# KiCad board Turbo_XT_Mainboard R3.kicad_pcb (continued)
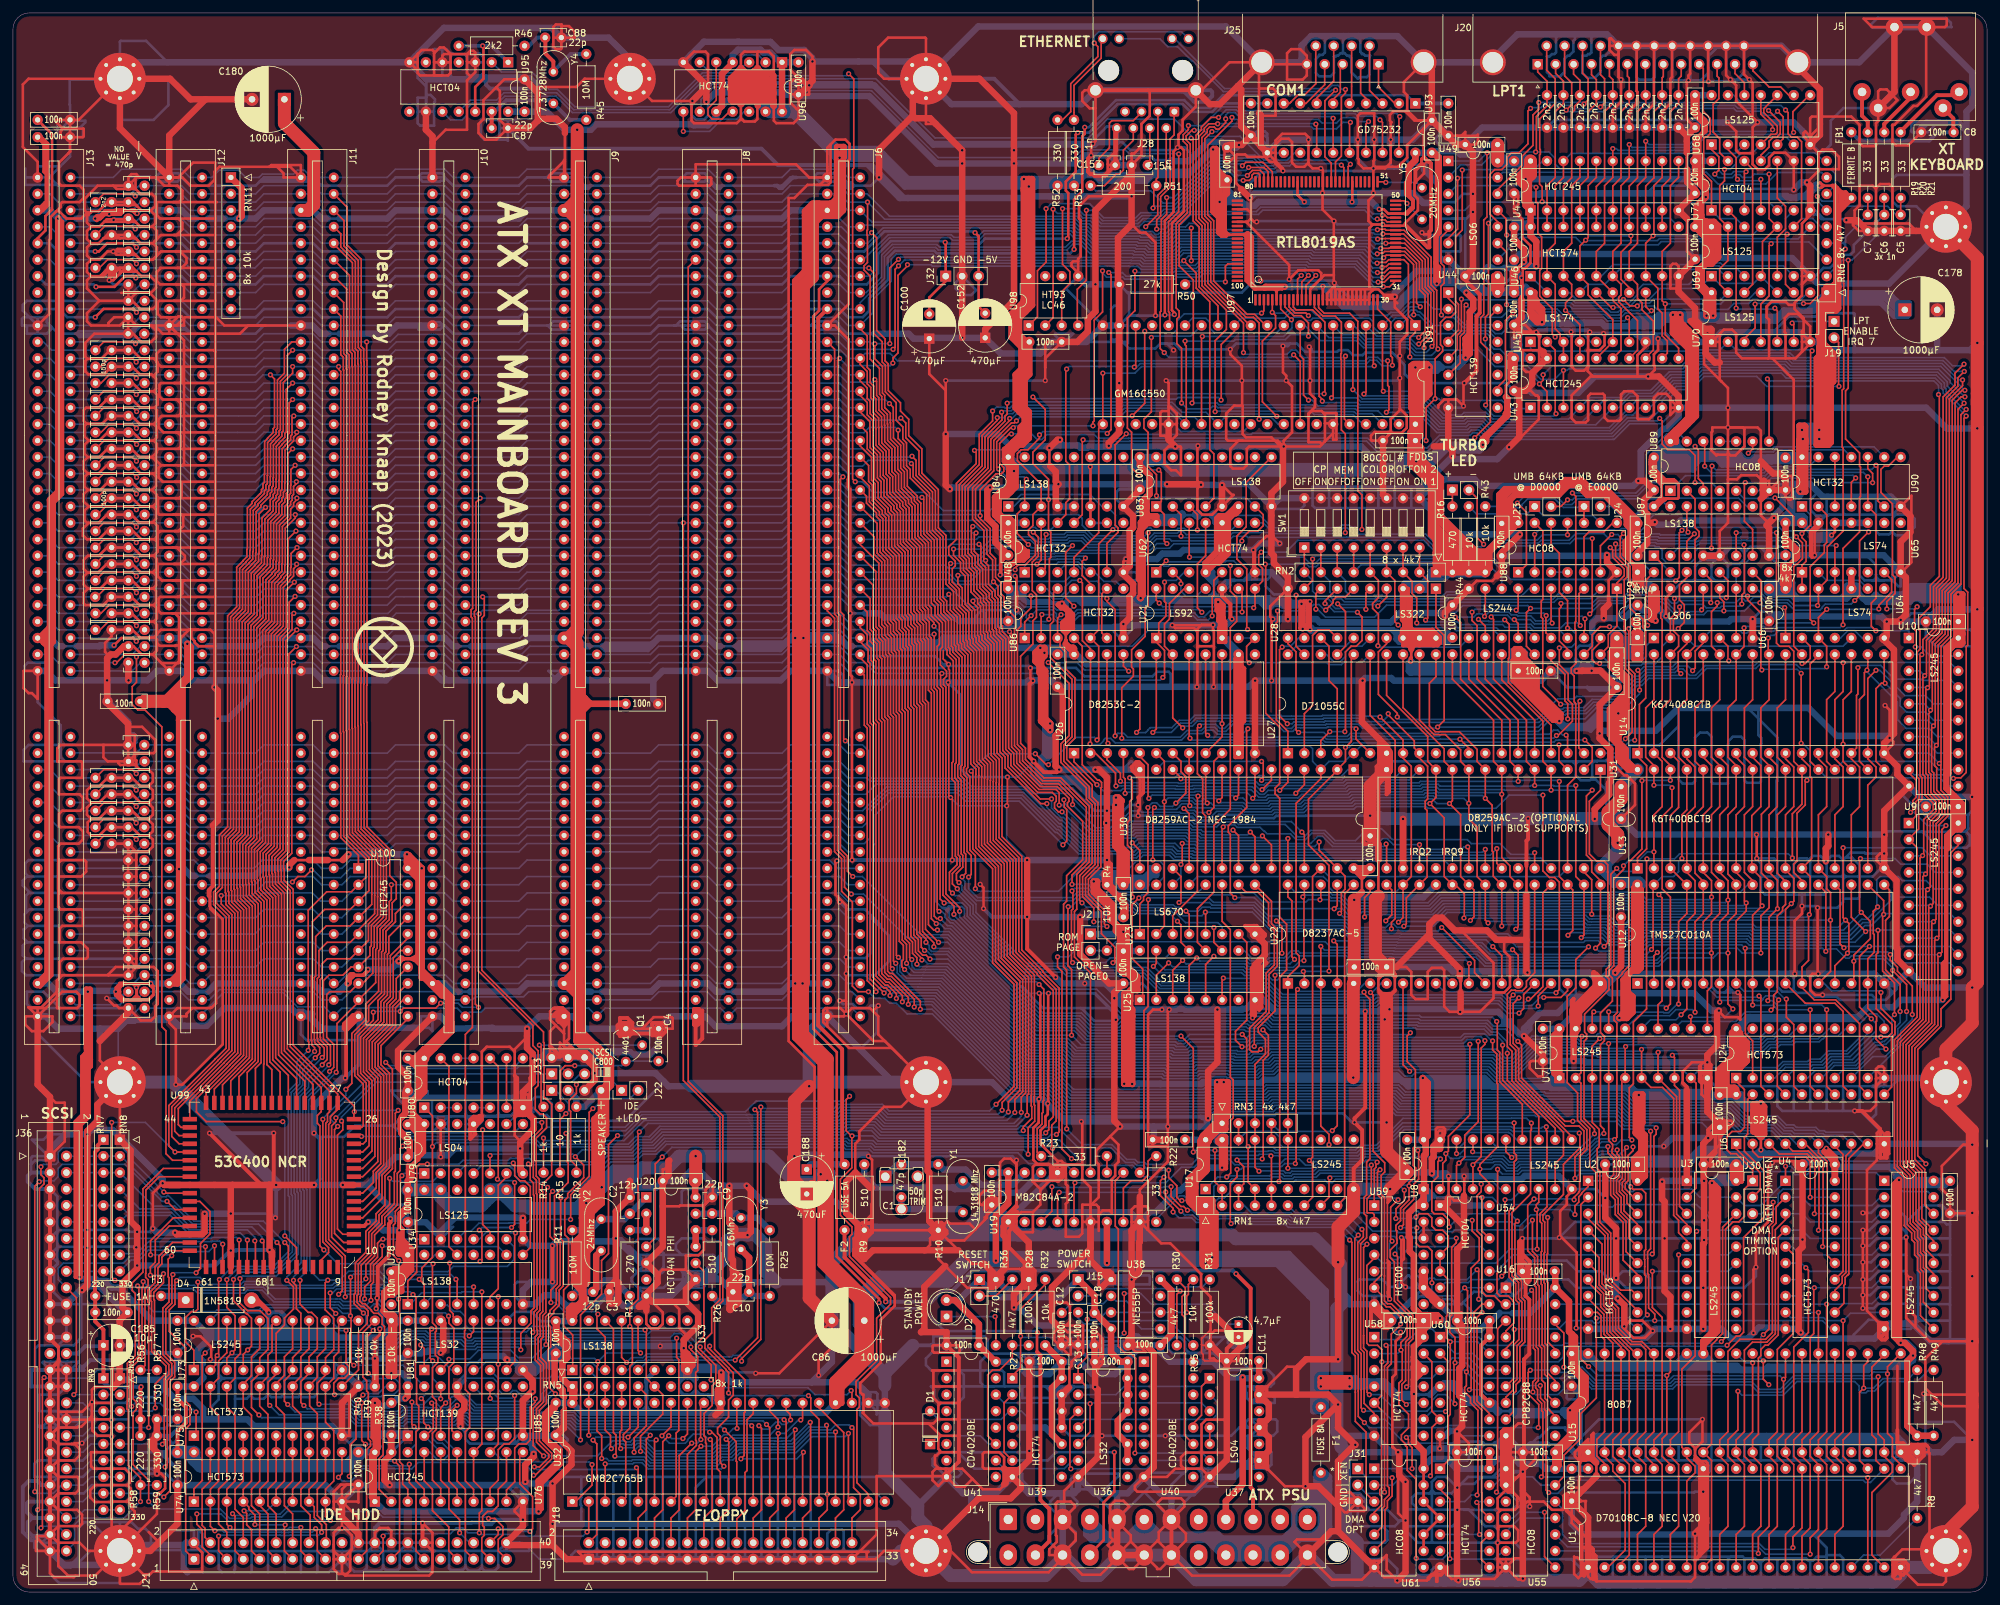
[diagram p0: board, top side]
## Routing (per net, layer and track width the routed paths; a pad name or vN(x,y) marks a point on that pad's centre or on a via; arc(x,y) is an arc through that point) (continued)
  Bottom w0.25: v1(168.27,188.21) 173.23,188.21 174.24,189.23 210.06,189.23 v1(210.19,189.36) ; U76.13 74.29,21.59 75.41,20.46 78.98,20.46 79.36,20.08 89.01,20.08 v1(89.41,19.69) ; v1(62.72,48.29) 60.23,48.29 59.27,47.33 57.32,47.33 57.2,47.46 55.37,47.46 55.32,47.41 50.96,47.41 50.82,47.26 49.81,47.26 49.46,46.92 39.45,46.92 38.85,47.51 35.82,47.51 35.37,47.06 29.34,47.06 v1(28.55,47.85) ; v1(74.93,35.18) 74.53,35.58 73.07,35.58 71.78,34.29 U81.4 ; U48.4 162.42,156.07 152.89,156.07 150.26,153.44 148.62,153.44 v1(148.22,153.04) ; v1(74.93,45.59) 64.64,45.59 U78.2 ; v1(155.99,71.26) 155.76,71.03 134.07,71.03 132.93,72.16 128.78,72.16 128.09,71.47 114.22,71.47 114.21,71.47 100.04,71.47 98.45,69.87 96.36,69.87 95.22,68.73 81.26,68.73 80.58,69.41 65.38,69.41 v1(64.77,68.79)
/~{BIOW}: length 424
  Top w0.25: v1(88.65,9.27) 88.9,9.52 U32.2 ; U48.12 162.56,166.37 162.56,168.22 163.14,168.8 163.14,174.05 162.56,174.63 162.56,188.72 v1(162.69,188.85) ; v1(148.19,164.55) 147.98,164.33 147.98,160.52 148.55,159.94 148.55,158.55 149.27,157.83 149.27,155.06 150.29,154.04 150.29,153.23 150.74,152.78 150.74,148.49 150.96,148.27 150.96,147.59 151.93,146.62 151.93,129.57 152.73,128.77 152.73,124.6 152.71,124.57 152.71,116.66 155.76,113.61 155.76,99.15 159.06,95.84 159.06,95.72 161.52,93.26 161.52,71.06 v1(161.12,70.66) ; v1(72.39,46.36) 72.39,22.86 U76.14 71.12,17.14 72.39,15.88 72.39,12.57 72.01,12.19 v1(72.01,9.14) ; U91.18 173.35,189.37 v1(173.14,189.15) ; U78.1 60.96,48.01 62.34,49.38 62.34,65.67 62.75,66.08 v1(63.98,66.08) ; v1(57.15,8.64) 57.15,6.35 J21.23 ; U97.30 210.69,198.12 212.72,196.09 212.72,190.88 212.98,190.62 v1(212.98,189.43)
  Bottom w0.25: v1(212.98,189.43) 212.91,189.36 211.39,189.36 210.53,190.21 209.51,190.21 208.99,189.68 174.06,189.68 173.53,189.15 v1(173.14,189.15) 173.05,189.25 163.09,189.25 v1(162.69,188.85) ; v1(161.12,70.66) 160.26,70.66 159.69,70.09 133.74,70.09 132.56,71.26 129.15,71.26 128.47,70.57 114.59,70.57 114.58,70.57 100.42,70.57 98.82,68.97 96.73,68.97 95.59,67.83 91.58,67.83 90.18,66.43 80.3,66.43 79.75,66.97 76.78,66.97 76.47,66.67 69.49,66.67 68.9,66.08 v1(63.98,66.08) ; U48.12 160.24,164.05 159.16,164.05 159.09,163.97 158.25,163.97 157.84,164.39 157.19,164.39 156.76,163.96 149.35,163.96 148.76,164.55 v1(148.19,164.55) ; v1(88.65,9.27) 88.01,8.64 77.98,8.64 77.72,8.89 72.26,8.89 v1(72.01,9.14) 70.23,9.14 69.47,9.91 68.45,9.91 67.56,9.02 57.53,9.02 v1(57.15,8.64) ; U78.1 61.33,44.45 63.1,46.22 69.21,46.22 69.34,46.36 v1(72.39,46.36)
/~{CLK}: length 35.7
  Top w0.25: U54.8 226.83,44.45 225.59,43.21 225.59,29.3 226.76,28.13 226.76,15.35 226.79,15.33 226.79,12.61 U56.11
/~{COM1_CTS}: length 87.5
  Top w0.25: v1(186,226.72) 184.62,226.72 183.94,226.04 183.94,225.61 183.12,224.78 183.12,212.1 184.05,211.17 184.05,201.9 189.99,195.96 v1(189.99,191.39) ; v1(201.17,226.67) 201.29,226.54 U93.14 ; v1(205.74,190.86) 205.58,190.69 205.58,181.14 206.38,180.34
  Bottom w0.25: v1(186,226.72) 186.04,226.76 201.07,226.76 v1(201.17,226.67) ; v1(189.99,191.39) 190.25,191.13 196.72,191.13 197.38,191.79 198.1,191.79 199.26,190.63 205.51,190.63 v1(205.74,190.86)
/~{COM1_DCD}: length 117.6
  Top w0.25: v1(214.12,227.84) 214,227.71 214,222.25 ; v1(180.43,183.61) 180.43,192.06 179.7,192.79 179.7,196.58 180.05,196.92 180.05,197.83 179.6,198.28 179.6,211.28 181.32,213 181.32,223.41 180.69,224.04 180.69,225.03 181.48,225.83 v1(181.48,226.44)
  Bottom w0.25: v1(181.48,226.44) 183.78,226.44 186.68,229.34 189.06,229.34 189.65,228.74 207.43,228.74 207.84,228.34 213.62,228.34 v1(214.12,227.84) ; v1(180.43,183.61) 181.35,182.7 184.82,182.7 185.22,183.1 185.79,183.1 186.01,182.88 200.5,182.88 201.11,182.27 207.09,182.27 207.41,181.95 209.85,181.95 U91.38
/~{COM1_DSR}: length 105.7
  Top w0.25: v1(185.62,182.27) 185.62,193.24 187.35,194.97 187.35,197.96 183.6,201.72 183.6,210.99 182.67,211.92 182.67,224.97 183.49,225.79 183.49,226.23 184.97,227.71 v1(186.15,227.71) ; 211.44,222.24 U93.18 211.45,226.95 v1(211.07,227.33)
  Bottom w0.25: v1(185.62,182.27) 185.71,182.37 200.38,182.37 200.92,181.82 206.9,181.82 208.38,180.34 U91.37 ; v1(211.07,227.33) 210.51,227.89 207.65,227.89 207.25,228.29 189.47,228.29 188.88,228.89 187.32,228.89 v1(186.15,227.71)
/~{COM1_DTR}: length 80.7
  Top w0.25: v1(178.13,215.33) 178.13,212.79 177.31,211.97 177.31,210.12 177.26,210.06 177.26,197.78 177.13,197.65 177.13,192.02 v1(177.76,191.39) ; U91.33 198.75,190.03 v1(197.74,191.04)
  Bottom w0.25: v1(177.76,191.39) 178.51,190.64 197.34,190.64 v1(197.74,191.04) ; v1(178.13,215.33) 179.24,215.33 185.79,221.88 191.74,221.88 192.95,220.67 194.4,220.67 194.85,221.12 196.76,221.12 197.88,222.25 U93.13
/~{COM1_RI}: length 94.4
  Top w0.25: v1(182.05,183.61) 182.25,183.8 182.25,202.6 180.05,204.8 180.05,211.1 181.77,212.82 181.77,223.6 181.14,224.23 181.14,224.85 182.01,225.71 v1(182.39,225.71)
  Bottom w0.25: 214,180.34 212.89,181.44 211.71,181.44 210.76,182.4 207.6,182.4 207.27,182.72 201.3,182.72 200.68,183.33 186.19,183.33 185.92,183.61 v1(182.05,183.61) ; v1(182.39,225.71) 182.48,225.81 183.77,225.81 184.79,224.78 189.48,224.78 193.13,221.12 194.22,221.12 195.34,222.25 U93.12
/~{COM1_RTS}: length 80.5
  Top w0.25: 206.38,222.25 206.38,226.82 v1(206.5,226.95) ; v1(185.12,225.51) 184.02,224.41 184.02,212.47 184.95,211.55 184.95,202.28 190.37,196.85 191.53,196.85 192.4,195.98 v1(192.4,181.1)
  Bottom w0.25: v1(192.4,181.1) 192.77,181.47 194.22,181.47 195.34,180.34 U91.32 ; v1(185.12,225.51) 185.88,225.51 186.69,226.31 200.45,226.31 200.82,225.94 204.35,225.94 205.36,226.95 v1(206.5,226.95)
/~{DACK0}: length 54
  Top w0.25: U8.9 238.12,66.17 239.39,67.44 239.39,70.99 231.45,78.93 231.45,83.5 230.73,84.22 230.73,92.32 231.35,92.94 231.95,92.94 232.04,92.85 233.06,92.85 233.68,93.48 233.68,94.34 234.95,95.61 U22.25
/~{DACK1}: length 329.4
  Top w0.25: v1(233.97,91.57) 234.31,91.57 236.22,93.47 236.22,107.95 U22.24 ; v1(19.1,177.21) 18.51,177.8 14.08,177.8 12.81,176.53 C110.2 ; v1(138.81,175.39) 139.43,174.76 139.43,172.41 141.97,169.87 141.97,163.97 143.15,162.79 143.15,153.4 143.72,152.83 143.72,151.37 144.89,150.19 144.89,146.07 145.11,145.85 145.11,145.15 146.08,144.18 146.08,127.88 145.88,127.68 145.88,125.89 146.41,125.36 146.41,114 146.66,113.75 146.66,111.94 145.67,110.95 145.67,109.96 v1(146.07,109.56)
  Bottom w0.25: v1(233.97,91.57) 233.42,91.02 231.06,91.02 229.86,92.22 213.33,92.22 213.3,92.24 210.33,92.24 209.93,91.84 195.85,91.84 193.59,94.09 177.44,94.09 175.07,96.46 163.26,96.46 162.63,97.09 156.53,97.09 148.69,104.93 148.69,106.22 146.53,108.38 146.53,109.11 v1(146.07,109.56) ; J13.17 5.71,177.8 6.98,176.53 C110.2 ; v1(19.1,177.21) 19.1,177.21 19.68,177.8 J12.17 26.03,177.8 27.3,176.53 37.46,176.53 38.73,177.8 J11.17 46.35,177.8 47.62,176.53 57.78,176.53 59.05,177.8 J10.17 66.67,177.8 67.94,176.53 78.1,176.53 79.38,177.8 J9.17 86.99,177.8 88.26,176.53 98.42,176.53 99.69,177.8 J8.17 107.31,177.8 108.58,176.53 118.75,176.53 120.01,177.8 J6.17 127.76,177.8 129.03,176.53 131.32,176.53 132.59,175.26 138.68,175.26 v1(138.81,175.39)
/~{DACK2}: length 455.9
  Top w0.25: C119.2 12.93,153.67 14.22,154.96 18.42,154.96 v1(19.06,154.31) ; v1(96.27,19.2) 96.52,18.95 U32.5 ; v1(181.11,105.15) 181.61,104.65 U23.4 ; v1(72.52,153.67) 72.77,153.42 72.77,150.8 72.39,150.42 72.39,96.01 81.91,86.49 81.91,84.89 82.01,84.8 82.01,76.36 82.07,76.29 82.2,76.29 83.18,75.31 83.18,64.39 81.71,62.92 81.71,61.9 81.81,61.8 81.81,43.33 81.34,42.86 81.34,40.72 81.42,40.64 81.42,39.57 81.08,39.23 81.08,36.01 81.91,35.18 81.91,29.33 80.83,28.25 80.83,23.16 82.73,21.25 82.73,20.76 81.3,19.33 v1(80.51,19.33) ; v1(228.5,99.66) 229.87,98.29 U22.14 ; v1(144.5,154.07) 144.72,153.84 144.72,151.63 145.79,150.56 145.79,146.44 146.01,146.22 146.01,145.53 146.98,144.56 146.98,127.51 146.78,127.3 146.78,126.26 147.31,125.73 147.31,114.38 147.95,113.73 147.95,110.81 v1(147.55,110.41)
  Bottom w0.25: v1(144.5,154.07) 144.1,153.67 128.91,153.67 127.63,154.94 J6.26 120.01,154.94 118.75,153.67 108.58,153.67 107.31,154.94 J8.26 99.69,154.94 98.42,153.67 88.26,153.67 86.99,154.94 J9.26 79.38,154.94 78.1,153.67 67.94,153.67 66.67,154.94 J10.26 59.27,154.94 58,153.67 47.62,153.67 46.35,154.94 J11.26 38.86,154.94 37.59,153.67 27.3,153.67 26.03,154.94 J12.26 19.68,154.94 19.06,154.32 v1(19.06,154.31) ; v1(228.5,99.66) 227.43,100.73 214,100.73 213.93,100.8 207.15,100.8 205.48,102.46 194.54,102.46 191.39,105.61 184.97,105.61 184.83,105.75 183.6,105.75 183.01,105.15 v1(181.11,105.15) 180.6,105.15 180.01,105.74 179.54,105.74 179.16,106.13 173.79,106.13 173.32,106.59 172.5,106.59 171.92,107.17 166.88,107.17 165.88,108.16 164.44,108.16 163.51,107.23 148.95,107.23 147.55,108.63 v1(147.55,110.41) ; v1(96.27,19.2) 95.99,18.92 80.91,18.92 v1(80.51,19.33) ; J13.26 5.71,154.94 6.98,153.67 C119.2
/~{DACK3}: length 317.3
  Top w0.25: C108.2 14.01,182.88 18.51,182.88 v1(19.1,182.29) ; v1(231.53,99.19) 232.41,98.31 U22.15 ; v1(146.56,110.44) 147.11,110.99 147.11,113.94 146.86,114.19 146.86,125.55 146.33,126.07 146.33,127.49 146.53,127.69 146.53,144.37 145.56,145.34 145.56,146.03 145.34,146.25 145.34,150.37 144.17,151.55 144.17,153.02 143.6,153.59 143.6,162.98 142.42,164.15 142.42,170.06 139.88,172.6 139.88,176.22 137.85,178.25 137.85,180.53 v1(137.09,181.29) ; v1(184.11,104.99) 184.15,104.95 U23.5
  Bottom w0.25: v1(137.09,181.29) 136.77,180.97 132.08,180.97 131.36,181.69 128.82,181.69 127.63,182.88 J6.15 120.01,182.88 118.75,181.61 108.58,181.61 107.31,182.88 J8.15 99.69,182.88 98.42,181.61 88.26,181.61 86.99,182.88 J9.15 79.38,182.88 78.1,181.61 67.94,181.61 66.67,182.88 J10.15 59.05,182.88 57.78,181.61 47.62,181.61 46.35,182.88 J11.15 38.73,182.88 37.46,181.61 27.3,181.61 26.03,182.88 J12.15 19.68,182.88 19.1,182.29 v1(19.1,182.29) ; C108.2 6.98,181.61 5.71,182.88 J13.15 ; v1(146.56,110.44) 146.56,110.16 146.98,109.73 146.98,108.57 148.76,106.78 163.7,106.78 164.63,107.71 165.7,107.71 166.69,106.72 171.74,106.72 172.31,106.14 173.14,106.14 173.6,105.68 178.97,105.68 179.35,105.29 179.82,105.29 180.69,104.43 183.55,104.43 v1(184.11,104.99) 191.37,104.99 194.35,102.01 205.3,102.01 206.96,100.35 213.75,100.35 213.81,100.28 226.81,100.28 228.16,98.94 231.28,98.94 v1(231.53,99.19)
/~{DC}: length 133.3
  Top w0.25: v1(97.6,40.47) 97.79,40.27 97.79,33.02 RN5.6 100.33,30.48 100.33,27.49 96.89,24.06 v1(96.89,21.72) ; J18.34 129.54,11.43 130.83,12.72 130.83,15.09 129.79,16.13 129.79,25.15 v1(129.54,25.4) ; v1(81.66,72.52) 81.66,71.6 80.34,70.28 80.34,64.04 80.81,63.57 80.81,61.52 80.91,61.43 80.91,43.7 80.44,43.23 80.44,40.3 v1(80.24,40.1)
  Bottom w0.25: v1(81.66,72.52) 80.52,72.52 79.56,73.48 77.52,73.48 76.31,72.26 76.2,72.26 ; v1(80.24,40.1) 80.48,40.33 83.17,40.33 83.35,40.15 84.44,40.15 84.57,40.28 97.41,40.28 v1(97.6,40.47) ; v1(96.89,21.72) 97.28,21.72 98.62,20.38 108.38,20.38 109.29,21.29 110.76,21.29 111.91,22.43 117.23,22.43 117.25,22.41 119.07,22.41 119.09,22.43 120.46,22.43 123.06,25.03 126.24,25.03 127.01,25.8 129.14,25.8 v1(129.54,25.4)
/~{DEN}: length 82.1
  Top w0.25: U54.12 226.82,55.76 v1(226.82,60.93)
  Bottom w0.25: v1(226.82,60.93) 228.43,60.93 229.53,59.83 240.08,59.83 240.19,59.73 245.25,59.73 245.51,59.46 246.97,59.46 247.34,59.83 259.95,59.83 262.64,57.15 270,57.15 272.54,59.69 272.54,60.2 272.56,60.22 272.56,61.5 273.29,62.23 291.44,62.23 291.82,61.85 295.66,61.85 296.54,60.96
/~{DIR}: length 29.7
  Top w0.25: v1(110.12,23.58) 110.52,23.18 110.52,12.73 109.22,11.43 J18.18 ; v1(118.12,25.48) 118.12,26.66 116.84,27.94 U32.28
  Bottom w0.25: v1(118.12,25.48) 116.87,24.23 111.16,24.23 110.51,23.58 v1(110.12,23.58)
/~{DMA_CS}: length 50.4
  Top w0.25: v1(176.08,96.61) 176.53,97.07 U25.15
  Bottom w0.25: U22.11 221.12,95.11 195.82,95.11 195.23,94.52 194.44,94.52 193.74,95.22 190.13,95.22 189.7,95.65 177.05,95.65 v1(176.08,96.61)
/~{DMAAEN}: length 236.4
  Top w0.25: 264.86,70.55 264.67,70.36 264.67,68.25 265.23,67.69 266.08,67.69 268.6,65.17 J30.1 267.33,62.23 267.33,58.02 266.46,57.15 265.56,57.15 264.42,56.01 264.42,39.32 v1(263.78,38.68) ; 264.86,70.55 264.79,70.49 ; 264.86,70.55 265.43,71.12 266.73,71.12 267.33,71.72 267.33,77.6 266.06,78.87 U24.1 ; v1(187.4,64.09) 188.02,64.71 188.02,72.84 188.4,73.23 188.4,79.08 187.96,79.53 187.96,102.3 186.69,103.57 U23.11 ; U61.5 211.39,10.09 211.39,12.87 211.76,13.24 211.76,14.28 212.49,15.01 212.49,16.11 212.22,16.38 212.22,34.67 212.82,35.27 212.82,39.84 214.25,41.27 v1(214.25,41.4) 214.25,42.42 212.63,44.04 212.05,44.04 211.31,44.78 211.31,45.87 U59.6 210.19,47.86 211.31,48.99 211.31,60.72 210.68,61.36 210.68,64.81 v1(211.08,65.21)
  Bottom w0.25: U17.1 186.01,64.09 v1(187.4,64.09) 187.56,64.26 194.04,64.26 194.36,64.57 196.01,64.57 196.32,64.27 197.38,64.27 197.64,64.53 201.05,64.53 201.65,65.12 210.99,65.12 v1(211.08,65.21) ; v1(263.78,38.68) 263.51,38.42 239.59,38.42 239.27,38.1 227.57,38.1 226.31,39.36 222.24,39.36 221.55,40.04 221.55,40.3 220.28,41.57 220,41.57 218.38,43.18 216.03,43.18 v1(214.25,41.4)
/~{DMAWAIT}: length 105.3
  Top w0.25: U19.4 161.29,61.47 v1(161.54,61.72) ; v1(177.98,61.77) 177.98,61.17 v1(180.33,58.82) ; v1(208.66,26.16) 207.71,27.11 207.71,31.05 207.71,31.05 207.71,36.63 207.18,37.16 207.18,54.59 v1(207.71,55.12)
  Bottom w0.25: v1(208.66,26.16) 209.42,25.4 212.47,25.4 214.88,22.99 222.31,22.99 223.45,24.13 U60.8 ; v1(180.33,58.82) 180.92,58.24 182.18,58.24 182.89,57.52 185.44,57.52 186.03,58.11 190.3,58.11 190.75,57.66 196.87,57.66 197.32,57.21 205.61,57.21 v1(207.71,55.12) ; v1(161.54,61.72) 177.94,61.72 v1(177.98,61.77)
/~{DSA}: length 26.4
  Top w0.25: U32.30 111.76,25.3 v1(111.8,25.26) ; J18.14 104.14,11.43 105.41,12.7 105.41,21.7 v1(106.23,22.52)
  Bottom w0.25: v1(111.8,25.26) 111.23,25.26 110.27,24.3 109.76,24.3 107.97,22.52 v1(106.23,22.52)
/~{DSB}: length 24.2
  Top w0.25: U32.32 106.17,28.7 106.17,23.59 v1(106.21,23.55) ; v1(104.79,22.99) 102.87,21.07 102.87,12.7 101.6,11.43 J18.12
  Bottom w0.25: v1(106.21,23.55) 105.66,22.99 v1(104.79,22.99)
/~{EOP}: length 87
  Top w0.25: v1(212.94,54.19) 212.71,54.41 212.71,59.42 v1(213.87,60.58) ; U22.36 205.61,107.82 205.61,60.83 RN1.9
  Bottom w0.25: U54.11 226.69,53.34 215.73,53.34 213.73,51.34 213.07,51.34 212.54,51.88 212.54,53.79 v1(212.94,54.19) ; v1(213.87,60.58) 213.62,60.83 205.61,60.83 RN1.9
/~{FDC_CS}: length 66.9
  Top w0.25: v1(109.76,19.42) 109.22,19.97 109.22,24.07 108.79,24.5 108.79,25.34 110.49,27.04 110.49,29.66 111.22,30.39 111.22,33.82 110.55,34.48 110.55,34.56 107.57,37.54 v1(107.57,37.97) ; v1(94.75,35.46) 93.98,36.23 U33.13 ; U32.3 v1(91.44,19.79)
  Bottom w0.25: v1(109.76,19.42) 109.36,19.02 98.07,19.02 97.13,19.97 95.86,19.97 95.68,19.79 v1(91.44,19.79) ; v1(107.57,37.97) 106.36,36.77 97.83,36.77 97.25,36.19 95.49,36.19 v1(94.75,35.46)
/~{FDC_LDCR}: length 97.8
  Top w0.25: v1(90.9,20.63) 90.9,24.16 90.17,24.89 90.17,34.87 90.31,35.01 v1(90.31,35.57) ; v1(129,24.5) 129,14.51 U32.18 ; U33.12 96.52,37.3 v1(96.9,36.92)
  Bottom w0.25: v1(96.9,36.92) 91.65,36.92 v1(90.31,35.57) 89.81,36.07 85.85,36.07 82.8,33.02 74.93,33.02 U81.5 ; v1(90.9,20.63) 91.67,20.63 92.04,20.26 95.51,20.26 95.67,20.42 97.31,20.42 98.25,19.48 108.75,19.48 109.66,20.39 111.14,20.39 112.28,21.53 116.86,21.53 116.88,21.51 120.89,21.51 123.39,24 128.5,24 v1(129,24.5)
/~{FDC_LDOR}: length 69
  Top w0.25: U33.14 92.71,40.64 92.71,24.64 93.11,24.24 93.11,21.16 v1(92.93,20.99) ; v1(127.01,24.73) 127,24.72 U32.17
  Bottom w0.25: v1(127.01,24.73) 126.86,24.58 123.25,24.58 120.65,21.98 119.28,21.98 119.25,21.96 117.07,21.96 117.04,21.98 112.09,21.98 110.95,20.84 109.47,20.84 108.57,19.93 98.43,19.93 97.5,20.87 93.05,20.87 v1(92.93,20.99)
/~{IDE_ACT}: length 152.1
  Top w0.25: v1(73.42,11.37) 74.38,11.37 75.64,10.11 75.64,8.84 74.93,8.13 74.93,6.35 J21.39 ; v1(54.3,45.26) 54.3,47.1 55.22,48.02 55.22,50.64 56.29,51.71 56.29,53.87 56.9,54.48 v1(57.14,54.48) ; v1(20.95,13.97) 20.95,17.27 18.54,19.69 18.54,27.69 19.06,28.2 19.06,29.33 18.56,29.83 18.56,34.95 19.93,36.33 19.93,47.05 20.11,47.22 v1(20.11,47.94)
  Bottom w0.25: v1(54.3,45.26) 53.9,44.86 50.99,44.86 50.59,45.25 49.94,45.25 49.94,45.26 40.47,45.26 38.67,47.06 36.01,47.06 35.56,46.61 28.77,46.61 28.01,47.37 23.88,47.37 ; v1(20.95,13.97) 22.1,12.83 32.01,12.83 33.46,11.37 36.65,11.37 36.87,11.6 41.5,11.6 42.35,12.45 56.24,12.45 57.13,11.56 73.24,11.56 v1(73.42,11.37) ; v1(20.11,47.94) 20.68,47.37 23.88,47.37 ; 23.88,47.37 24,47.37 ; v1(57.14,54.48) U34.1
/~{IDE_CS0}: length 25.7
  Top w0.25: v1(77.46,30.34) 77.46,23.72 76.6,22.86 75.8,22.86 74.93,21.99 74.93,17.27 73.66,16 U76.8
  Bottom w0.25: v1(77.46,30.34) 77.06,29.94 74.96,29.94 74.28,30.62 72.25,30.62 U85.12
/~{IDE_CS1}: length 27.6
  Top w0.25: v1(73.69,29.9) 73.66,29.93 U85.11 ; U76.9 76.2,15.75 77.47,17.02 77.47,22.23 78.1,22.86 79.25,22.86 79.87,23.48 79.87,28.56 80.64,29.33 v1(80.64,29.85)
  Bottom w0.25: v1(80.64,29.85) 80.24,29.45 74.14,29.45 v1(73.69,29.9)
/~{IDE_CS}: length 81.7
  Top w0.25: v1(68.39,48.29) 68.58,48.1 U78.4 ; v1(52.63,35.02) 52.2,35.44 52.2,42.55 v1(52.11,42.64) 52.11,48.6 v1(52.13,48.62)
  Bottom w0.25: U85.15 61.59,33.66 ; v1(52.13,48.62) 52.61,49.1 56.19,49.1 57.46,47.83 59.13,47.83 60.32,49.02 67.67,49.02 v1(68.39,48.29) ; 61.59,33.66 61.09,34.16 61.09,34.29 61.21,34.42 ; 61.59,33.66 61.18,34.07 ; v1(52.11,42.64) 51.71,43.04 50.89,43.04 50.03,43.9 49.38,43.9 49.38,43.91 38.97,43.91 38.18,43.11 31.68,43.11 U73.19 ; 61.18,34.07 61.21,34.1 61.21,34.42 ; 61.18,34.07 60.77,34.48 ; 61.21,34.42 61.15,34.48 60.77,34.48 ; 61.21,34.42 62.36,35.56 63.63,35.56 64.5,36.44 65.39,36.44 65.7,36.13 65.86,36.13 67.71,34.29 U81.3 ; v1(52.63,35.02) 60.23,35.02 60.77,34.48
/~{IDE_DMACK}: length 44
  Top w0.25: v1(54.03,30.42) 52.96,29.35 52.96,23.62 52.07,22.73 52.07,18.01 v1(51.93,17.87) ; J21.29 62.23,6.35 62.23,15.88 61.2,16.91 v1(61.2,19.74)
  Bottom w0.25: v1(54.03,30.42) 54.24,30.62 56.4,30.62 57.53,31.75 R38.1 ; v1(51.93,17.87) 53.56,19.5 60.96,19.5 v1(61.2,19.74)
/~{IDE_DMARQ}: length 38.9
  Top w0.25: R39.1 54.03,40.06 54.03,33.2 54.61,32.63 54.61,31.04 54.86,30.79 54.86,23.63 55.21,23.28 55.21,22.58 54.61,21.99 54.61,6.35 J21.21
/~{IDX}: length 34.8
  Top w0.25: v1(98.4,24.21) 97.79,23.6 97.79,12.7 96.52,11.43 J18.8 ; v1(88.91,24.21) 88.9,24.21 U32.39 RN5.2
  Bottom w0.25: v1(88.91,24.21) 89.33,24.63 97.97,24.63 v1(98.4,24.21)
/~{INT1_CS}: length 92.6
  Top w0.25: v1(172.42,125.74) 172.82,125.34 172.82,122.47 172.42,122.07 172.42,119.21 172.08,118.87 172.08,115.32 172.85,114.55 v1(172.85,107.31) ; v1(163.52,108.26) 163.66,108.12 163.66,105.49 163.43,105.26 163.43,97.38 v1(163.61,97.2)
  Bottom w0.25: U30.1 206.14,127 205.01,125.87 193.34,125.87 193.13,126.08 192.44,126.08 192.15,125.8 184.36,125.8 184.28,125.87 181.07,125.87 180.59,126.36 180.03,126.36 179.41,125.74 v1(172.42,125.74) ; v1(163.52,108.26) 163.92,108.66 166.01,108.66 167.03,107.64 172.52,107.64 v1(172.85,107.31) ; v1(163.61,97.2) 168.7,97.2 169.42,97.92 170.38,97.92 170.45,97.85 177.86,97.85 U25.14
/~{INT2_CS}: length 95.4
  Top w0.25: v1(195.93,98.65) 195.93,102.77 v1(195.07,103.63) ; U31.1 245.11,123.82 243.4,122.11 243.4,113.98 244.53,112.85 244.57,112.89 245.65,112.89 246.24,112.3 246.24,111.22 246.2,111.18 246.25,111.12 246.25,100.26 v1(245.68,99.68)
  Bottom w0.25: v1(195.93,98.65) 194.02,98.65 193.31,97.93 191.23,97.93 190.1,99.06 U25.10 ; v1(245.68,99.68) 244.78,100.58 242.76,100.58 242.5,100.32 232.11,100.32 230.8,101.63 214.37,101.63 214.31,101.7 207.52,101.7 205.85,103.36 195.34,103.36 v1(195.07,103.63)
/~{INTA}: length 262.8
  Top w0.25: v1(240.77,169.71) 241.3,169.19 241.3,149.86 241.17,149.73 241.17,148.72 241.3,148.59 241.3,143.38 240.6,142.68 240.6,141.9 241.04,141.46 241.04,137.48 241.21,137.32 241.21,137.23 241.3,137.14 241.3,125.86 240.03,124.59 U31.26 ; v1(241.84,70.87) 241.94,70.77 241.94,68.58 239.39,66.04 239.39,61.4 236.23,58.23 236.23,57.4 236.51,57.12 236.51,52.42 236.4,52.32 236.4,47.76 236.55,47.61 236.55,38.41 236.94,38.03 236.94,33.81 238.12,32.62 U16.14 ; RN1.7 200.66,60.96 200.66,66.15 v1(200.16,66.65) 200.66,67.15 200.66,110.49 U30.26
  Bottom w0.25: v1(241.84,70.87) 241.58,71.12 231.54,71.12 231.35,71.31 231.25,71.31 231.13,71.43 214.81,71.43 211.02,67.63 208.57,67.63 207.86,66.92 200.43,66.92 v1(200.16,66.65) ; U89.13 257.32,178.8 255.32,178.8 252.16,175.64 252.16,171.26 250.61,169.72 240.77,169.72 v1(240.77,169.71) ; U31.26 238.76,110.49 203.2,110.49 U30.26
/~{IOR_DLY}: length 116.4
  Top w0.25: v1(55.63,40.39) 54.74,39.5 54.74,33.91 v1(54.86,33.78) ; J21.25 59.69,6.35 59.69,19.46 v1(58.93,20.23) ; v1(54.11,43.08) 52.67,44.52 52.67,45.98 52.87,46.17 52.87,50.84 54.48,52.45 54.48,55.7 56.06,57.28 56.06,58.41 57.43,59.78 57.43,64.23 58.58,65.38 58.58,80.75 v1(57.55,81.79) ; v1(54.42,22.82) 53.85,23.4 v1(53.85,29.21)
  Bottom w0.25: v1(57.55,81.79) 58.04,81.3 77.61,81.3 U80.8 ; v1(58.93,20.23) 57.88,20.23 57.15,20.95 57.15,22.23 56.55,22.82 v1(54.42,22.82) ; v1(53.85,29.21) 54.81,30.17 56.84,30.17 57.21,30.54 58.88,30.54 59.69,31.35 59.69,32.26 58.99,32.96 55.69,32.96 v1(54.86,33.78) ; v1(54.11,43.08) 54.49,42.7 54.49,41.52 v1(55.63,40.39)
/~{IOR}: length 576
  Top w0.25: C107.2 14.01,185.42 18.54,185.42 v1(19.05,184.91) ; v1(162.69,71.52) 162.69,96.04 162.21,96.53 162.21,106.2 162.69,106.68 162.69,110.62 165.17,113.1 165.17,119.01 162.81,121.36 162.81,121.87 163.05,122.1 163.05,122.57 161.24,124.38 158.6,124.38 154.98,128 154.98,129.7 154.18,130.5 154.18,147.99 v1(153.88,148.29) ; v1(236.75,71.85) 236.75,71.28 236.85,71.17 236.85,59.49 235.78,58.42 235.78,57.21 236.06,56.93 236.06,52.61 235.95,52.51 235.95,47.57 236.1,47.42 236.1,38.22 236.49,37.84 236.49,33.63 237,33.11 237,30.34 U16.13 ; RN1.5 U17.5 194.31,67.27 v1(194.23,67.34) ; v1(135.32,183.52) 135.91,182.93 135.91,180.76 135.95,180.72 135.95,178.2 137.06,177.08 137.06,173.56 137.63,172.98 137.63,170.59 139.17,169.05 139.17,168.5 139.72,167.95 139.72,163.03 140.9,161.86 140.9,152.21 141.35,151.76 141.35,150.55 142.21,149.69 v1(142.21,149.14) ; v1(71.37,184.15) 70.97,183.75 70.97,151.92 70.74,151.68 70.74,150.58 70.94,150.38 70.94,87.19 69.85,86.11 69.85,40.44 69.73,40.32 69.73,39.21 69.85,39.09 69.85,31.24 70.51,30.59 70.51,25.42 69.85,24.76 69.85,17.14 71.12,15.88 U76.7
  Bottom w0.25: v1(162.69,71.52) 165.13,69.09 169.67,69.09 171.96,66.8 173.24,66.8 173.69,66.35 174.72,66.35 175.02,66.04 181.99,66.04 183.39,67.44 192.28,67.44 192.45,67.61 193.97,67.61 v1(194.23,67.34) 194.27,67.37 207.68,67.37 208.38,68.08 210.83,68.08 214.63,71.88 231.32,71.88 231.44,71.76 231.53,71.76 231.65,71.64 235.98,71.64 236.18,71.85 v1(236.75,71.85) ; J13.14 5.71,185.42 6.98,184.15 C107.2 ; v1(142.21,149.14) 143.05,148.29 v1(153.88,148.29) ; v1(19.05,184.91) 19.18,184.91 19.68,185.42 J12.14 26.03,185.42 27.3,184.15 37.46,184.15 38.73,185.42 J11.14 46.35,185.42 47.62,184.15 57.82,184.15 59.08,185.42 J10.14 66.67,185.42 67.94,184.15 v1(71.37,184.15) 78.1,184.15 79.38,185.42 J9.14 86.99,185.42 88.26,184.15 98.42,184.15 99.69,185.42 J8.14 107.31,185.42 108.58,184.15 118.75,184.15 120.01,185.42 J6.14 127.63,185.42 128.9,184.15 134.69,184.15 v1(135.32,183.52)
/~{IOW}: length 648.7
  Top w0.25: v1(15.75,48.13) 15.24,48.64 v1(15.24,72.52) ; v1(192.89,66.88) 193.04,67.03 193.04,82.11 193.83,82.9 193.83,85.98 v1(193,86.81) ; 27.3,67.94 v1(25.02,67.95) 24.07,68.89 24.07,75.13 31.22,82.27 31.22,82.29 32.91,83.98 32.91,104.23 30.98,106.16 30.98,108.09 31.88,108.99 31.88,116.9 33.15,118.17 33.15,150.75 34.54,152.15 34.54,158.24 35.52,159.22 35.52,159.27 36.12,159.87 36.12,161 36.19,161.07 36.19,167.39 36.92,168.11 36.92,168.37 38.09,169.54 38.09,169.54 38.33,169.78 38.37,169.94 38.37,170.23 38.61,170.46 38.61,171.14 38.82,171.35 38.82,172.58 38.86,172.62 38.86,177.67 39.3,178.12 39.3,178.18 40.17,179.05 40.17,179.64 40.39,179.86 40.39,187.33 v1(39.75,187.96) ; v1(142.73,102.23) 142.17,102.23 141.35,103.05 141.35,137.32 140.9,137.77 140.9,146.91 140.58,147.23 140.58,149.41 140,149.99 140,151.2 139.55,151.65 139.55,161.3 138.37,162.47 138.37,167.39 137.82,167.94 137.82,168.49 136.28,170.03 136.28,172.43 135.71,173 135.71,176.52 134.6,177.64 134.6,180.16 134.56,180.2 134.56,181.66 133.7,182.53 133.7,184.43 133.35,184.78 133.35,186.95 v1(133.07,187.23) ; C106.2 13.59,186.69 14.86,187.96 18.54,187.96 v1(19.05,187.45) ; U76.6 68.58,15.88 67.31,17.15 67.31,28.19 67.53,28.42 67.53,29.75 67.31,29.97 67.31,34.67 68.07,35.43 68.07,40.75 67.31,41.51 67.31,42.55 v1(67.25,42.61) ; v1(234.61,57.43) 234.61,52.61 235.4,51.82 235.4,47.49 235.65,47.24 235.65,38.04 236.04,37.65 236.04,32.75 236.55,32.24 236.55,29.9 236.94,29.52 236.94,28.37 238.12,27.18 U16.12 ; v1(188.99,66.71) 190.03,65.67 190.03,63.03 U17.3 RN1.3
  Bottom w0.25: v1(25.02,67.95) 20.45,72.52 v1(15.24,72.52) ; v1(67.25,42.61) 66.74,43.12 57.8,43.12 56.44,44.49 55.73,44.49 55.05,43.8 50.77,43.8 50.22,44.35 49.57,44.35 49.57,44.36 38.79,44.36 37.99,43.56 31.49,43.56 31.24,43.31 21.69,43.31 16.87,48.13 v1(15.75,48.13) ; v1(192.89,66.88) 189.16,66.88 v1(188.99,66.71) ; J13.13 5.71,187.96 6.98,186.69 C106.2 ; v1(193,86.81) 192.76,86.57 190.41,86.57 190.15,86.84 171.73,86.84 171.2,86.3 166.17,86.3 164.41,88.06 158.48,88.06 144.54,102 142.97,102 v1(142.73,102.23) ; v1(19.05,187.45) 19.56,187.96 J12.13 26.03,187.96 27.2,186.8 37.45,186.8 38.61,187.96 v1(39.75,187.96) J11.13 46.35,187.96 47.62,186.69 57.78,186.69 59.05,187.96 J10.13 66.67,187.96 67.94,186.69 78.1,186.69 79.38,187.96 J9.13 86.99,187.96 88.26,186.69 98.42,186.69 99.69,187.96 J8.13 107.31,187.96 108.58,186.69 118.75,186.69 120.01,187.96 J6.13 127.63,187.96 128.77,186.83 132.67,186.83 v1(133.07,187.23) ; RN1.3 190.1,59.69 191.23,58.56 197.34,58.56 197.79,58.11 207.57,58.11 209.94,55.75 213.69,55.75 213.93,55.5 217.1,55.5 217.48,55.88 220.98,55.88 221.2,55.66 222.29,55.66 222.54,55.92 233.1,55.92 v1(234.61,57.43)
